# Altium PCB PCB.PcbDoc
Units mm, origin at the board's own origin, x right, y up, seen from the top; angles counter-clockwise.
Board outline 42.42 x 60.96 mm, 2 copper layers (Top Layer, Bottom Layer); 65 components, 46 nets, 264 pads, 71 vias.
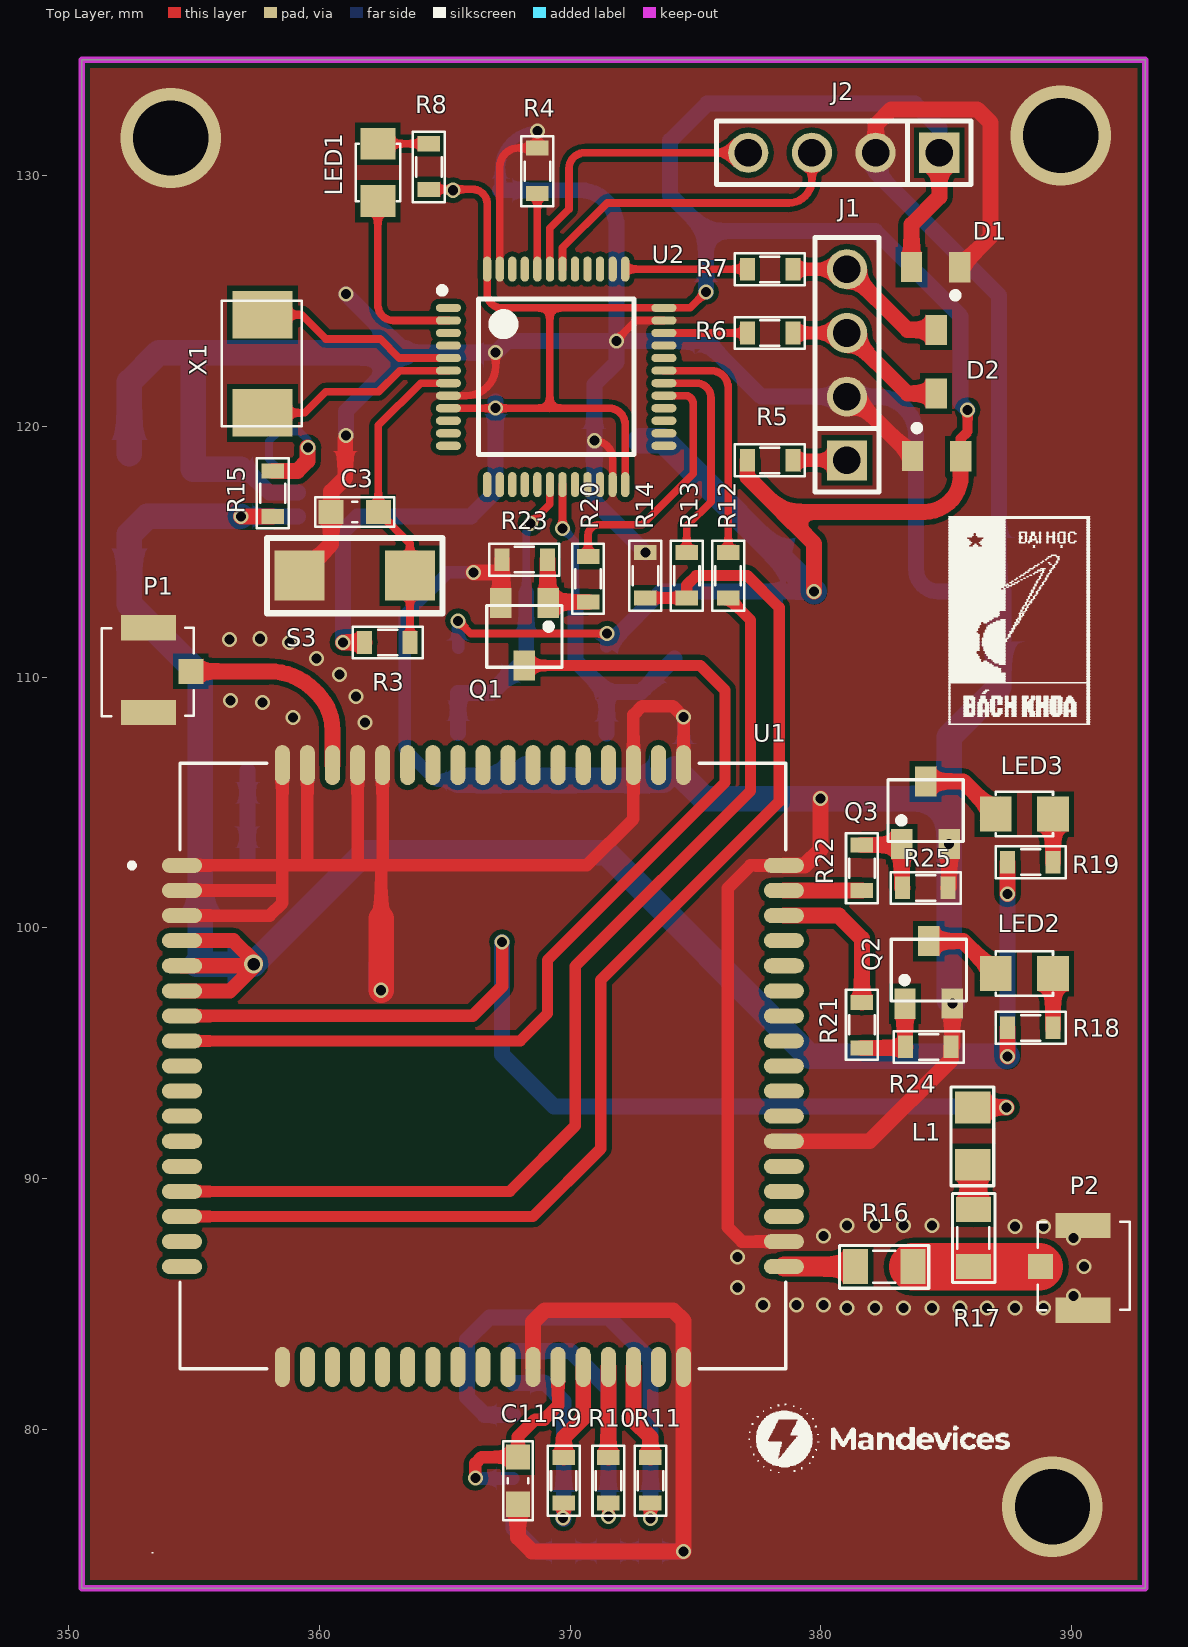
[diagram p0: Top Layer view]
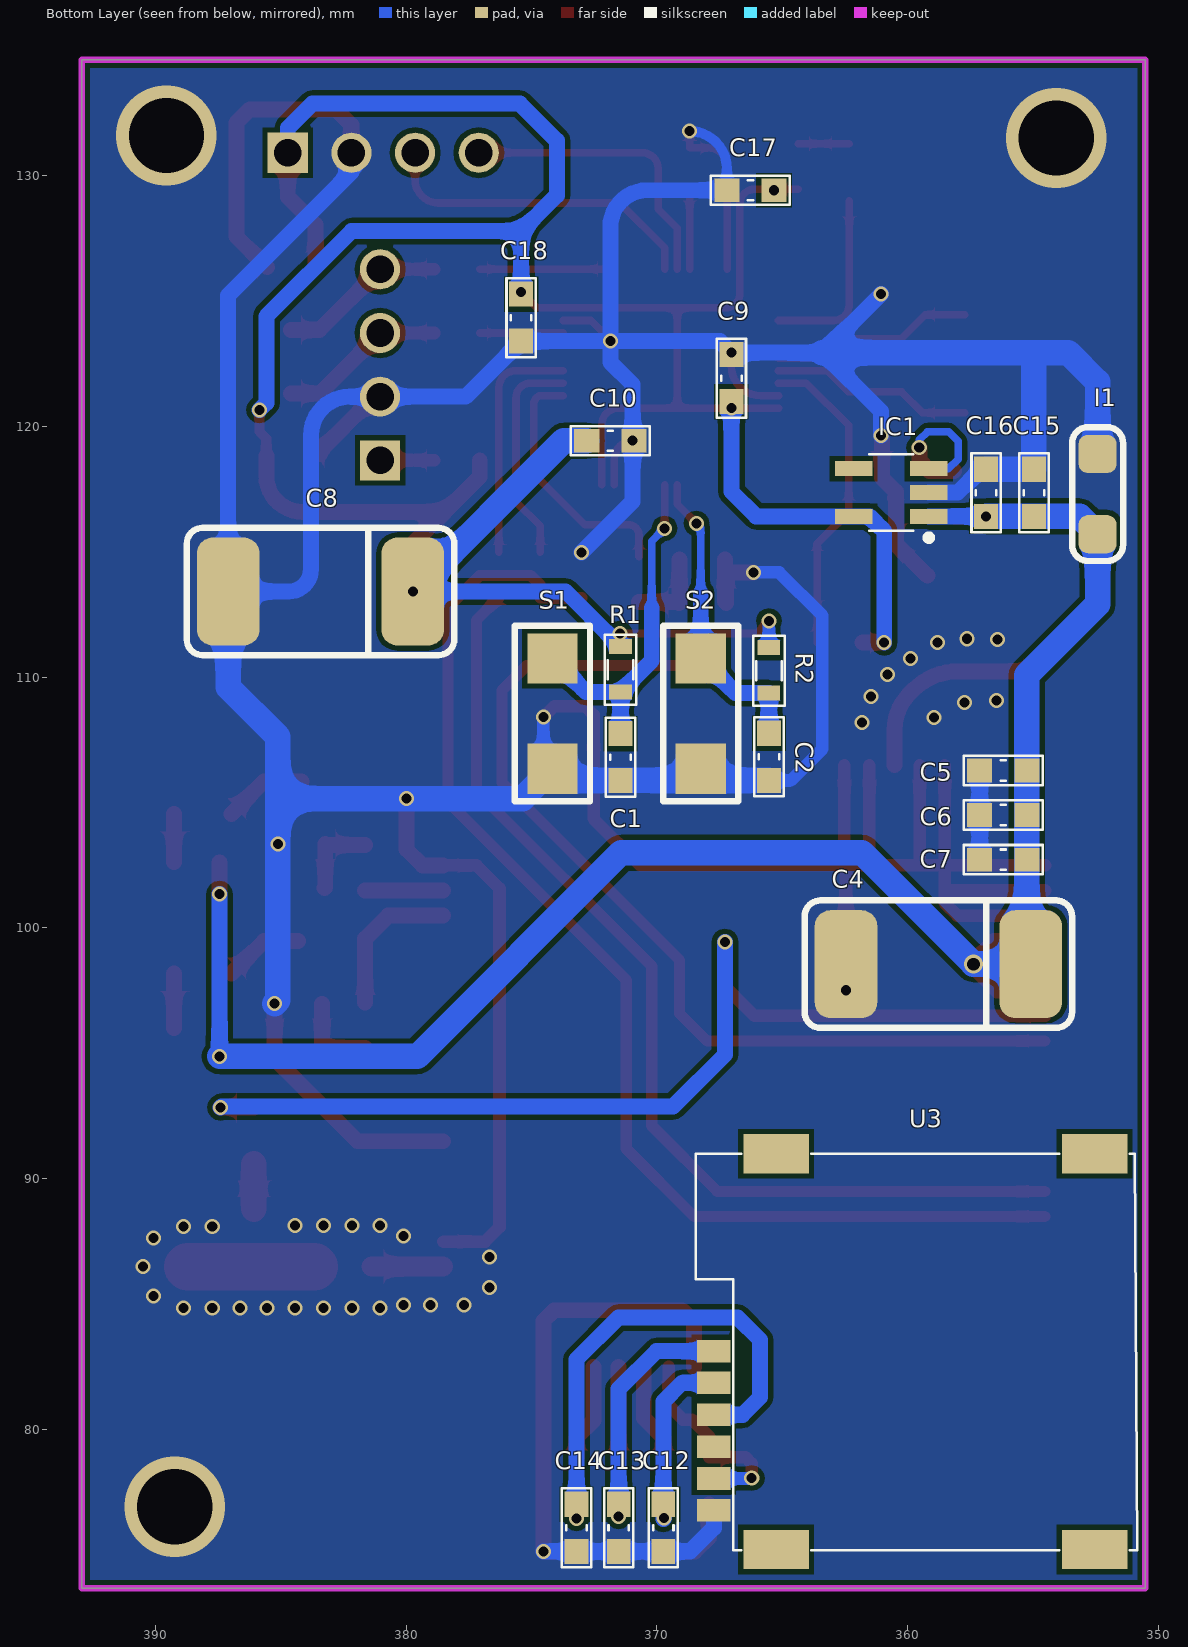
[diagram p1: Bottom Layer view, seen from below]
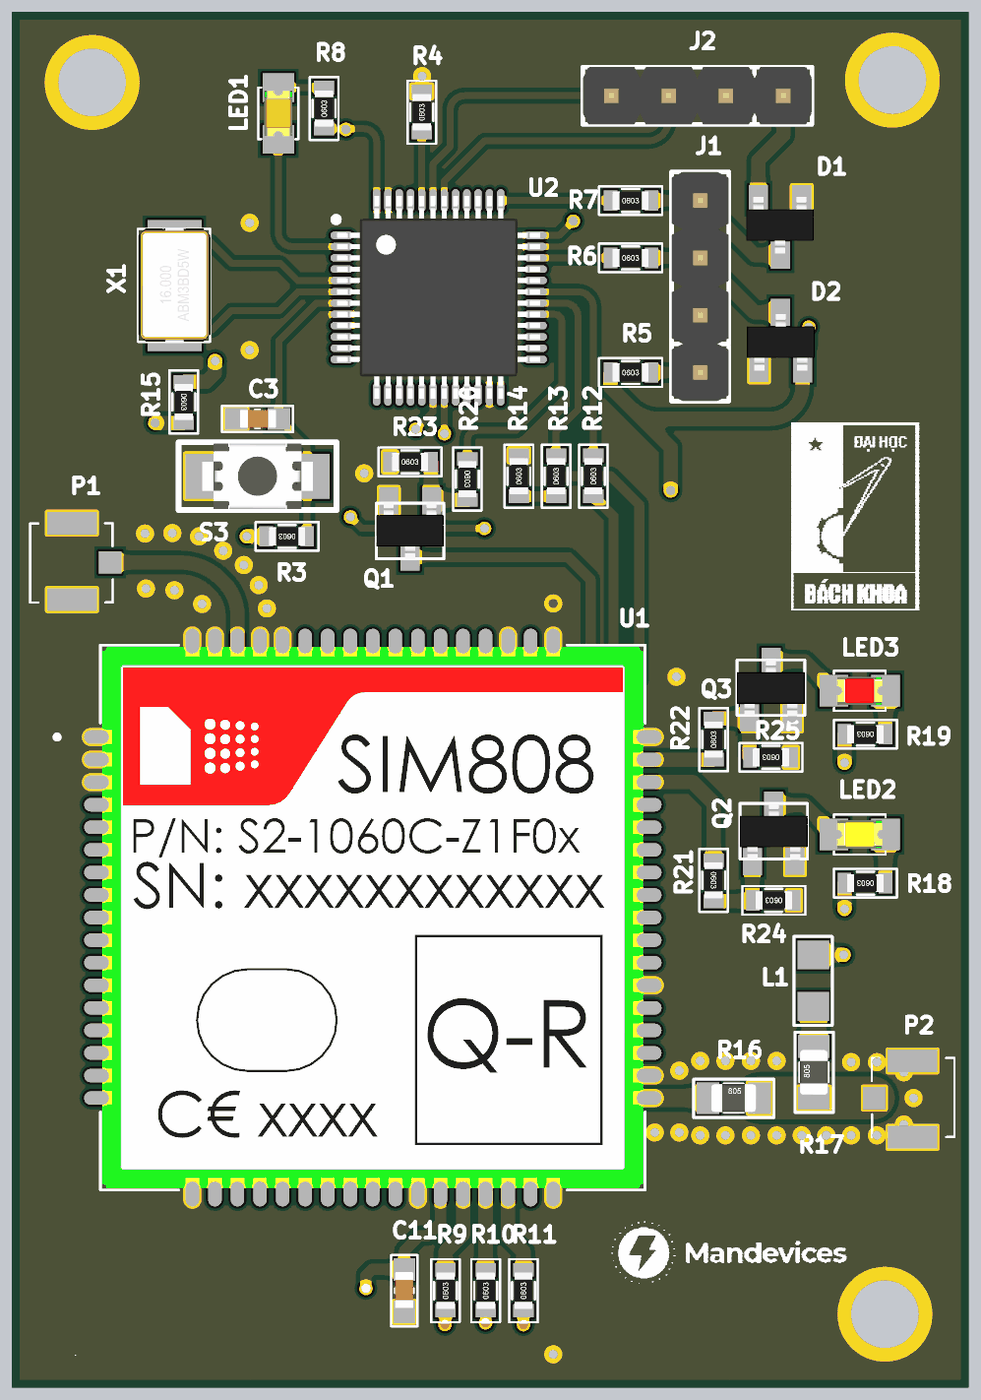
[diagram p2: 3D render of the assembled board from above, using the file's embedded part models]
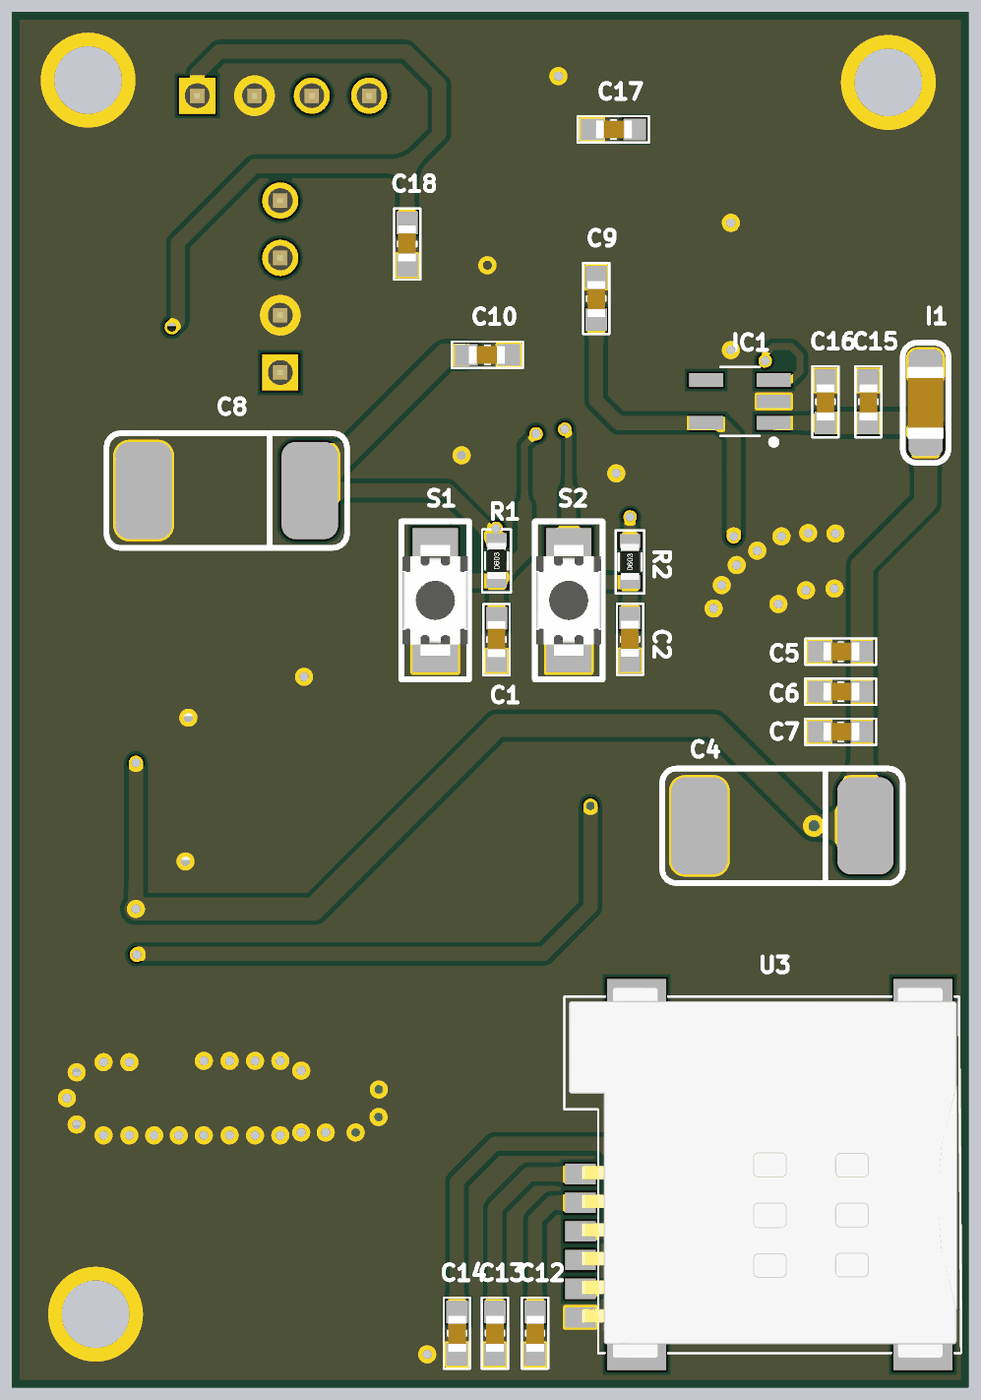
[diagram p3: 3D render of the assembled board from below, using the file's embedded part models]

## Layer stack, top to bottom
Top Solder: solder mask 0.0102, Solder Resist, Dk 3.5
Top Layer: signal copper 0.0356
Dielectric 1: dielectric 0.32, FR-4, Dk 4.8
Bottom Layer: signal copper 0.0356
Bottom Solder: solder mask 0.0102, Solder Resist, Dk 3.5

## Board outline
350.52,73.66 392.938,73.66 392.938,134.62 350.52,134.62

## Design rules (kind name [scope] priority, off if disabled: settings)
Clearance [All] p1: gap=0.254 ignorepadtopadclearanceinfootprint=TRUE except(0.1: Arc-Arc Arc-Track Arc-SMDPad Track-Track Track-SMDPad SMDPad-SMDPad; 0.2: Arc-Fill Arc-Poly Arc-Region Track-Fill Track-Poly Track-Region SMDPad-Fill SMDPad-Poly SMDPad-Region THPad-Fill THPad-Poly THPad-Region Via-Fill Via-Poly Via-Region Fill-Fill Fill-Poly Fill-Region Poly-Poly Poly-Region Region-Region)
PolygonConnect [All] p1: connectstyle=Direct reliefconductorwidth=0.254 reliefentries=4 polygonreliefangle="90 Angle" airgapwidth=0.254
RoutingVias [All] p1: holewidth=0.4 width=0.6 viastyle="Through Hole" minholewidth=0.4 minwidth=0.6 maxholewidth=0.4 maxwidth=0.6
SolderMaskExpansion [All] p1: expansion=0.102
Width [All] p1: maxlimit=2.032 minlimit=0.305 preferedwidth=0.5
30 further rules are at their usual default settings.

## Classes and differential pairs
component class Sheet1: C3 C4 C5 C6 C7 C8 C9 C10 C11 C12 C13 C14 C15 C16 C17 C18 D1 D2 I1 IC1 J1 J2 L1 LED1 LED2 LED3 P1 P2 Q1 Q2 Q3 R3 R4 R5 R6 R7 R8 R9 R10 R11 R12 R13 R14 R15 R16 R17 R18 R19 R20 R21 R22 R23 R24 R25 S2 S3 U1 U2 U3 X1

## Components (designator, comment, footprint, x,y, rotation, side; value= is the part's Value field where it differs from the comment)
C1 "10uF" CAP_0603 371.45,106.807 r90 bottom value=33p
C2 "10uF" CAP_0603 365.531,106.82 r90 bottom value=33p
C3 "10uF" CAP_0603 361.411,116.586 r0 top value=33p
C4 "100uF" CAP_7343 358.902,98.552 r0 bottom
C5 "10uF" CAP_0603 356.188,106.274 r180 bottom value=33p
C6 "100nF" CAP_0603 356.188,104.496 r180 bottom value=33p
C7 "33pF" CAP_0603 356.188,102.718 r180 bottom value=33p
C8 "100uF" CAP_7343 383.54,113.411 r0 bottom
C9 "10uF" CAP_0603 367.03,121.92 r270 bottom value=33p
C10 "100nF" CAP_0603 371.856,119.424 r0 bottom value=33p
C11 "100nF" CAP_0603 367.919,77.953 r90 top value=33p
C12 "22pF" CAP_0603 369.744,76.073 r270 bottom value=33p
C13 "22pF" CAP_0603 371.522,76.073 r270 bottom value=33p
C14 "22pF" CAP_0603 373.204,76.073 r270 bottom value=33p
C15 "10uF" CAP_0603 354.965,117.348 r270 bottom value=33p
C16 "100nF" CAP_0603 356.87,117.348 r270 bottom value=33p
C17 "10uF" CAP_0603 366.268,129.413 r180 bottom value=33p
C18 "100nF" CAP_0603 375.412,124.333 r90 bottom value=33p
D1 "DIODE-BAV99" SOT23 384.599,125.097 r180 top
D2 "DIODE-BAV99" SOT23 384.589,120.057 r0 top
I1 "Batt" CAP_3216 352.425,117.297 r270 bottom value=33p
IC1 "RT9013" SOT23-5 360.656,117.358 r0 bottom
J1 "ST_LINK" JP4-D1T 381.038,118.641 r90 top
J2 "MPU" JP4-D1T 384.721,130.909 r180 top
L1 "47nH" L-0805 386.055,91.694 r270 top value="150 mH"
LED1 "LED" LED-0805-Orange 362.331,131.267 r270 top value="LED 3 ly Single Colour"
LED2 "LED" LED-0805-Yellow 389.255,98.171 r180 top value="LED 3 ly Single Colour"
LED3 "LED" LED-0805-Red 389.255,104.536 r180 top value="LED 3 ly Single Colour"
P1 "Antenna" IPXS 354.457,110.236 r0 top
P2 "Antenna" IPXS 389.179,86.479 r180 top
Q1 "2SC1815" SOT23D 368.173,111.709 r180 top value=C1815
Q2 "2SC1815" SOT23D 384.302,98.222 r0 top value=C1815
Q3 "2SC1815" SOT23D 384.175,104.587 r0 top value=C1815
R1 "10k" RES-SMD-0603 371.45,110.297 r90 bottom
R2 "10k" RES-SMD-0603 365.531,110.249 r90 bottom
R3 "10k" RES-SMD-0603 362.722,111.379 r180 top
R4 "100k" RES-SMD-0603 368.693,130.175 r90 top
R5 "10R" RES-SMD-0603 377.952,118.641 r0 top
R6 "10R" RES-SMD-0603 377.952,123.721 r0 top
R7 "10R" RES-SMD-0603 377.952,126.261 r0 top
R8 "1k" RES-SMD-0603 364.363,130.34 r90 top
R9 "22R" RES-SMD-0603 369.744,77.953 r90 top
R10 "22R" RES-SMD-0603 371.526,77.953 r90 top
R11 "22R" RES-SMD-0603 373.202,77.953 r90 top
R12 "1k" RES-SMD-0603 376.301,114.046 r90 top
R13 "1k" RES-SMD-0603 374.65,114.046 r90 top
R14 "4.7k" RES-SMD-0603 372.999,114.046 r90 top
R15 "100k" RES-SMD-0603 358.14,117.335 r270 top
R16 "0R" RES-SMD-0805 382.524,86.489 r0 top
R17 "10R" RES-SMD-0805 386.08,87.632 r90 top
R18 "1k" RES-SMD-0603 388.366,96.012 r180 top
R19 "1k" RES-SMD-0603 388.366,102.616 r180 top
R20 "4.7k" RES-SMD-0603 370.713,113.919 r270 top
R21 "4.7k" RES-SMD-0603 381.635,96.139 r270 top
R22 "4.7k" RES-SMD-0603 381.635,102.377 r90 top
R23 "47k" RES-SMD-0603 368.173,114.681 r0 top
R24 "47k" RES-SMD-0603 384.302,95.25 r180 top
R25 "47k" RES-SMD-0603 384.175,101.59 r180 top
S1 "SW-SMD" "SW 3x2x4" 374.167,108.544 r90 bottom
S2 "SW-SMD" "SW 3x2x4" 368.249,108.544 r90 bottom
S3 "SW-SMD" "SW 3x2x4" 361.411,114.046 r0 top
U1 "SIM808" XCVR_SIM808 366.522,94.488 r0 top
U2 "STM32" "LQFP 48" 369.443,121.971 r0 top
U3 "SIM-KF016" "Sim Socket" 360.045,83.185 r90 bottom value="Sim holder"
X1 "8Mhz" "XTAL 5032 SMD" 357.728,122.517 r90 top value=4Mhz

## Footprints (in the part's own frame and the unit in brackets; to place one, negate y for a bottom-side part, rotate by r counter-clockwise, add the part's x,y. Pads: shape width x height; smd on the part's side, far side on the other; paste and mask are expansions set on the pad)
CAP_0603 [mm]
  rect 1x0.95 smd mask+0.076: 1(-0.94,0) 2(0.94,0)
  silkscreen extent -1.57,-0.58 1.57,0.58, body extent -0.77,-0.39 0.83,0.41, height 0.9
CAP_3216 [mil]
  rrect50% 60x60 smd: 1(-62.99,0) 2(62.99,0)
  silkscreen extent -105,-40 105,40, body extent -63,-31 63,31, height 39
CAP_7343 [mm] "Capacitor Tantalum 7343"
  rrect50% 2.5x4.3 smd: 1(-3.81,0) 2(3.556,0)
  silkscreen extent -5.46,-2.54 5.21,2.54, body extent -3.81,-2.29 3.56,2.29, height 3
IPXS [mm] "SOT 23 _ 1-3-2"
  rect 1x1 smd: 1(0.415,-0.01)
  rect 2.2x1 smd: 2(-1.273,-1.658) 3(-1.278,1.73)
  silkscreen extent -3.13,-1.79 0.53,1.73, body extent -2.83,-1.49 0.31,1.56, height 1.55
JP4-D1T [mm] "4 pins, 1 row, straight, gold plating"
  rect 1.6x1.6 hole 1.1: 1(0,0)
  round 1.6 hole 1.1: 2(2.54,0) 3(5.08,0) 4(7.62,0)
  silkscreen extent -1.27,-1.27 8.89,1.27, body extent -1.27,-1.27 8.89,1.27, height 8.54
L-0805 [mil] "Compoment SMD 80x50mil"
  rect 50x55 smd: 1(-45,0) 2(45,0)
  silkscreen extent -77,-34 78,33, body extent -50,-20 50,20, height 43
LED-0805-Orange [mil]
  rect 50x55 smd: 1(0,0) 2(90,0)
  silkscreen extent 0,-35 90,35, body extent 5,-25 85,25, height 43
LED-0805-Red [mil]
  rect 50x55 smd: 1(0,0) 2(90,0)
  silkscreen extent 0,-35 90,35, body extent 5,-25 85,25, height 43
LED-0805-Yellow [mil]
  rect 50x55 smd: 1(0,0) 2(90,0)
  silkscreen extent 0,-35 90,35, body extent 5,-25 85,25, height 43
"LQFP 48" [mm] "LQFP, 48-Leads, Body 7,00x7,00mm, Pitch 0,50mm, IPC Medium Density"
  oval 1x0.33 smd: 1(-4.296,2.75) 2(-4.296,2.25) 3(-4.296,1.75) 4(-4.296,1.25) 5(-4.296,0.75) 6(-4.296,0.25) 7(-4.296,-0.25) 8(-4.296,-0.75) 9(-4.296,-1.25) 10(-4.296,-1.75) 11(-4.296,-2.25) 12(-4.296,-2.75) 25(4.296,-2.75) 26(4.296,-2.25) 27(4.296,-1.75) 28(4.296,-1.25) 29(4.296,-0.75) 30(4.296,-0.25) 31(4.296,0.25) 32(4.296,0.75) 33(4.296,1.25) 34(4.296,1.75) 35(4.296,2.25) 36(4.296,2.75)
  oval 0.33x1 smd: 13(-2.75,-4.296) 14(-2.25,-4.296) 15(-1.75,-4.296) 16(-1.25,-4.296) 17(-0.75,-4.296) 18(-0.25,-4.296) 19(0.25,-4.296) 20(0.75,-4.296) 21(1.25,-4.296) 22(1.75,-4.296) 23(2.25,-4.296) 24(2.75,-4.296) 37(2.75,4.296) 38(2.25,4.296) 39(1.75,4.296) 40(1.25,4.296) 41(0.75,4.296) 42(0.25,4.296) 43(-0.25,4.296) 44(-0.75,4.296) 45(-1.25,4.296) 46(-1.75,4.296) 47(-2.25,4.296) 48(-2.75,4.296)
  silkscreen extent -4.67,-3.1 3.1,3.57, body extent -4.5,-4.5 4.5,4.5, height 1.6
RES-SMD-0603 [mm]
  rect 0.6x0.9 smd: 1(-0.889,0) 2(0.927,0)
  silkscreen extent -1.4,-0.64 1.4,0.64, body extent -0.8,-0.4 0.8,0.4, height 0.43
RES-SMD-0805 [mil]
  rect 39.37x55 smd: 1(-45,0) 2(45,0)
  silkscreen extent -70,-34 70,33, body extent -39,-25 39,25, height 31
"Sim Socket" [mm] "Socket Micro Sim 6P Push"
  rect 0.9x1.35 smd: 1(-5.145,7.685) 2(-2.605,7.685) 3(-0.065,7.685) 5(-6.415,7.685) 6(-3.875,7.685) 7(-1.335,7.685)
  rect 1.56x2.61 smd: ""(-7.975,-7.5) ""(-7.975,5.2) ""(7.805,-7.5) ""(7.805,5.2)
  silkscreen extent -8,-9.2 7.8,8.4, body extent -8.2,-9 8.2,8.2, height 1.35
SOT23 [mm] "SOT 23 _ 1-3-2"
  rect 0.85x1.2 smd: 1(-0.94,-1.245) 2(0.985,-1.25) 3(0.005,1.25)
  silkscreen extent -0.89,-0.25 -0.64,0, body extent -1.47,-1.33 1.53,1.17, height 1.06
SOT23-5 [mm] "SOT23, 5-Leads, Body 3.0x3.0mm (max), Pitch 0.95mm, IPC Medium Density"
  rect 1.5x0.6 smd: 1(-1.5,0.95) 2(-1.5,0) 3(-1.5,-0.95) 4(1.5,-0.95) 5(1.5,0.95)
  silkscreen extent -1.62,-1.52 0.87,1.92, body extent -1.75,-1.52 1.75,1.53, height 1.45
SOT23D [mm] "SOT 23C - 1-3-2 - BCE"
  rect 0.85x1.2 smd: 1(-0.95,-1.25) 2(0.94,-1.245) 3(0,1.25)
  silkscreen extent -1.5,-1.14 1.5,1.32, body extent -1.5,-1.17 1.5,1.33, height 1.06
"SW 3x2x4" [mm]
  rect 2x2 smd: 1(-2.2,0) 2(2.2,0)
  silkscreen extent -3.5,-1.5 3.5,1.5, body extent -2.45,-1.45 2.45,1.45, height 2
XCVR_SIM808 [mm]
  oval 1.6x0.6 smd: 1(-12,8) 2(-12,7) 3(-12,6) 4(-12,5) 5(-12,4) 6(-12,3) 7(-12,2) 8(-12,1) 9(-12,0) 10(-12,-1) 11(-12,-2) 12(-12,-3) 13(-12,-4) 14(-12,-5) 15(-12,-6) 16(-12,-7) 17(-12,-8) 35(12,-8) 36(12,-7) 37(12,-6) 38(12,-5) 39(12,-4) 40(12,-3) 41(12,-2) 42(12,-1) 43(12,0) 44(12,1) 45(12,2) 46(12,3) 47(12,4) 48(12,5) 49(12,6) 50(12,7) 51(12,8)
  oval 0.6x1.6 smd: 18(-8,-12) 19(-7,-12) 20(-6,-12) 21(-5,-12) 22(-4,-12) 23(-3,-12) 24(-2,-12) 25(-1,-12) 26(0,-12) 27(1,-12) 28(2,-12) 29(3,-12) 30(4,-12) 31(5,-12) 32(6,-12) 33(7,-12) 34(8,-12) 52(8,12) 53(7,12) 54(6,12) 55(5,12) 56(4,12) 57(3,12) 58(2,12) 59(1,12) 60(0,12) 61(-1,12) 62(-2,12) 63(-3,12) 64(-4,12) 65(-5,12) 66(-6,12) 67(-7,12) 68(-8,12)
  silkscreen extent -14.1,-12.07 12.07,12.07, body extent -12,-12 12,12, height 2.8
"XTAL 5032 SMD" [mm] "SMD 5032 XTAL Footprint"
  rect 1.9x2.4 smd: 1(-1.981,0) 2(1.93,0)
  silkscreen extent -2.51,-1.57 2.49,1.63, body extent -2.5,-1.6 2.5,1.6, height 1.31

## Part data
C1 C2 C3 C5 C6 C7 C9 C10 C11 C12 C13 C14 C15 C16 C17 C18: library part CapSMD, "Capacitor", LatestRevisionDate=17-Jul-2002, LatestRevisionNote="Re-released for DXP Platform.", PackageReference=RAD-0.3, Published=8-Jun-2000, Publisher="Altium Limited"
C4 C8: library part "Cap Pol", "Tantalum", LatestRevisionDate=17-Jul-2002, LatestRevisionNote="Re-released for DXP Platform.", PackageReference=POLAR0.8, Published=8-Jun-2000, Publisher="Altium Limited"
D1 D2: "ZENER, SOT23,", Current - Average Rectified (Io) (per Diode)=200mA, Current - Reverse Leakage @ Vr="2.5礎 @ 70V", Manufacturer="ON Semiconductor / Fairchild", Manufacturer Part Number=BAV99, Package / Case="TO-236-3, SC-59, SOT-23-3", Standard Package=1, Supplier Device Package="SOT-23-3 (TO-236)", Supplier Part Number 1=BAV99FSCT-ND, Voltage - DC Reverse (Vr) (Max)=70V, Voltage - Forward (Vf) (Max) @ If="1.25V @ 150mA", .CheckPCB=LeKhaLinh, .CheckSCH=LeKhaLinh, .Creator=LeKhaLinh, Category="Discrete Semiconductor Products", ComponentLink1Description=https://www.fairchildsemi.com/package-drawings/MA/MA03B.pdf?src-supplier=Digi-Key, ComponentLink1URL=https://www.fairchildsemi.com/package-drawings/MA/MA03B.pdf?src-supplier=Digi-Key, ComponentLink2Description=http://www.farnell.com/datasheets/1822674.pdf?src-supplier=Element14, ComponentLink2URL=http://www.farnell.com/datasheets/1822674.pdf?src-supplier=Element14, ComponentLink3Description=http://www.mouser.com/ds/2/149/BAV99-22788.pdf?src-supplier=Mouser, ComponentLink3URL=http://www.mouser.com/ds/2/149/BAV99-22788.pdf?src-supplier=Mouser, ComponentLink4Description=http://www.fairchildsemi.com/ds/BA/BAV99.pdf?src-supplier=Avnet+Europe, ComponentLink4URL=http://www.fairchildsemi.com/ds/BA/BAV99.pdf?src-supplier=Avnet+Europe, ComponentLink5Description=https://www.verical.com/server-webapp/html/getDatasheet?partID=110217&src-supplier=Verical, ComponentLink5URL=https://www.verical.com/server-webapp/html/getDatasheet?partID=110217&src-supplier=Verical, ComponentLink6Description=http://www.farnell.com/datasheets/2304409.pdf?src-supplier=Element14, ComponentLink6URL=http://www.farnell.com/datasheets/2304409.pdf?src-supplier=Element14, Diode Configuration="1 Pair Series Connection", Diode Type=Standard, Family="Diodes, Rectifiers - Arrays", Mounting Type="Surface Mount", Online Catalog="Diode Array", Other Drawings="Diode Circuit", Other Names=BAV99FSDKR, Packaging=Digi-Reel®, PCN Assembly/Origin="SOT23 Manufacturing Source 31/May2013 /  / Assembly Site Addition 20/Jul/2015", PCN Design/Specification="Mold Compound 12/Dec/2007", PCN Packaging="Binary Year Code Marking 15/Jan/2014", Pricing 1="1=0.26, 10=0.21, 100=0.1115, 500=0.0734, 1000=0.0499 (USD)", Pricing 3="1=0.1933, 10=0.1873, 25=0.1555, 100=0.0806, 250=0.0724, 500=0.0523, 1000=0.0428, 3000=0.0342 (USD)", Reverse Recovery Time (trr)=6ns, Speed="Small Signal =", Stock 1=1165, Stock 2=0, Stock 3=5700, Supplier 1=Digi-Key, Supplier 2=Mouser, Supplier 3=Arrow, Supplier Part Number 2=512-BAV99, Supplier Part Number 3=BAV99
I1: library part CapSMD, "Pad", LatestRevisionDate=17-Jul-2002, LatestRevisionNote="Re-released for DXP Platform.", PackageReference=RAD-0.3, Published=8-Jun-2000, Publisher="Altium Limited"
IC1: "RT9013-33GB IC REG LINEAR 3.3V 500mA SOT23-5"
J1 J2: library part Header4, "Header IDC, 4 x 1 Pin Vertical 2.54mm Pitch (Non-Boxed, Male)", Manufacturer="Würth Elektronik eiSos GmbH", partNo=613002143121, ComponentLink1 Description=Manufacturer, ComponentLink1URL=http://www.we-online.com, ComponentLink2 Description=Datasheet, ComponentLink2URL=http://katalog.we-online.de/em/datasheet/6130xx143121.pdf, Created by="Karrer Zheng", Created Date="29 March 2013", NoPins=02
L1: library part "Inductor Ferit", "Inductor"
LED1 LED2 LED3: "LED Single colour Green and Red"
P1 P2: library part IPXSx66, "Antenna GSM GPS"
Q1 Q2 Q3: "NPN 600mW, ECB", =C2383
R1 R2 R3 R4 R5 R6 R7 R8 R9 R10 R11 R12 R13 R14 R15 R16 R17 R18 R19 R20 R21 R22 R23 R24 R25: library part "Resistor - SMD", "Resistor", Manufacturer="Generic Components", Class=Passive, Published=08/06/2000, Publisher="Altium Hobart Technology Centre"
S1 S2 S3: "Switch", LatestRevisionDate=17-Jul-2002, LatestRevisionNote="Re-released for DXP Platform.", PackageReference=SPST-2, Published=24-Mar-1999, Publisher="Altium Limited"
U1: "SIM808 GPS, GPRS/GSM RF Arduino Platform Evaluation Expansion Board", Package=None, Availability=Unavailable, ComponentLink1Description=https://banlinhkien.com/sim808-p6650749.html, ComponentLink1URL=https://banlinhkien.com/sim808-p6650749.html, MF="Adafruit Industries", MP=SIM808, Price=None, SnapEDA_Link=https://www.snapeda.com/parts/SIM808/SIMcom%20Wireless%20solutions%20Co.%2CLtd/view-part/424834/?ref=snap
U2: library part STM32F103C8T6, "STM32 ARM-based 32-bit MCU with 64 Kbytes Flash, 64-pin LQFP, Industrial Temperature"
U3: library part "Sim holder", "SIM Card Holder KF-016"
X1: library part XT2, "Crystal For all Crystal 2pin."

## Via types
v1: diameter 0.6, hole 0.4, Top Layer to Bottom Layer, 67 vias
v2: diameter 4, hole 3, Top Layer to Bottom Layer, 3 vias
v3: diameter 0.762, hole 0.508, Top Layer to Bottom Layer, 1 vias

## Nets (pads, with @x,y where several pads share a name; then routed paths per layer and width w, separated by ;. In a path a pad name is that pad's centre, name@x,y a point inside that pad or via, vN(x,y) a via of type N, cw(c..) or ccw(c..) an arc to the next point about the centre after c; other vN are vias at no path point)
3V3: C8.1 C9.2 C10.2 C17.2 C18.2 D1.2 D2.2 IC1.5 J2.1 R1.2 R2.2 R3.2 R5.1 R8.1 U2.9 U2.24 U2.36 U2.48 | length 127.8
  Top Layer w0.305: R8.1 366.103,129.451 cw(c366.103,128.861) 366.693,128.861 U2.48 366.693,125.293 ccw(c367.265,125.293) 367.265,124.721 369.189,124.721 ; U2.9 v1(367.03,120.721) 369.189,120.721 ; v1(365.531,112.243) 366.039,111.735 v1(371.475,111.735) ; U2.24 372.193,120.072 ccw(c371.544,120.072) 371.544,120.721 369.189,120.721 ; v1(375.412,125.349) 374.784,124.721 U2.36 369.189,124.721 ; 369.189,120.721 369.189,124.721
  Top Layer w0.4: D2.2 385.574,119.509 385.851,119.786 v1(385.851,120.65)
  Top Layer w0.635: v1(360.934,111.379) R3.2 ; R5.1 377.063,117.983 378.46,116.586 ; v1(379.73,113.411) 379.73,115.316 378.46,116.586 ; D1.2 383.613,128.039 384.721,129.146 J2.1 ; D2.2 385.574,118.03 cw(c384.13,118.03) 384.13,116.586 378.46,116.586
  Bottom Layer w0.5: R2.2 v1(365.531,112.243) ; R1.2 371.45,111.709 v1(371.475,111.735)
  Bottom Layer w0.635: v1(360.934,111.379) 360.934,115.824 361.518,116.408 IC1.5 366.039,116.408 367.03,117.399 v1(367.03,120.721) C9.2 ; R1.2@371.718,111.492 373.637,113.411 v1(379.73,113.411) ; v1(375.412,125.349) 375.412,127.787 ; J2.1 384.721,131.89 383.743,132.867 375.463,132.867 373.99,131.394 373.99,129.21 375.412,127.787 ; v1(385.851,120.65) 385.574,120.927 385.574,124.386 382.173,127.787 375.412,127.787
  Bottom Layer w1.016: C10.2 373.717,119.424 v1(379.73,113.411)
  other v1: 365.328,129.413
Button1: C2.2 R2.1 S2.2 U2.18 | length 12.2
  Top Layer w0.305: v1(368.427,116.129) 369.193,116.895 U2.18
  Bottom Layer w0.305: 368.249,113.36 368.249,115.951 v1(368.427,116.129)
  Bottom Layer w0.635: C2.2 R2.1 366.865,109.36 S2.2 368.249,113.36
Button2: C1.2 R1.1 S1.2 U2.19 | length 13.9
  Top Layer w0.305: U2.19 369.693,115.93 v1(369.697,115.926)
  Bottom Layer w0.305: v1(369.697,115.926) 370.205,115.418 370.205,112.751
  Bottom Layer w0.635: 370.205,112.751 370.205,110.652 R1.1 ; C1.2 R1.1 ; S1.2 372.831,109.408 R1.1
GND: C1.1 C2.1 C3.1 C4.2 C5.1 C6.1 C7.1 C8.2 C9.1 C10.1 C11.1 C12.2 C13.2 C14.2 C15.1 C16.1 C17.1 C18.1 D1.1 D2.1 I1.1 IC1.2 J1.2 J2.2 P1.2 P1.3 P2.2 P2.3 Q1.2 Q2.2 Q3.2 R4.2 R14.2 R23.1 R24.1 R25.1 S1.1 S2.1 S3.1 U1.1 U1.2 U1.3 U1.18 U1.28 U1.34 U1.36 U1.40 U1.51 U1.52 U1.54 U1.64 U1.65 U1.67 U1.68 U2.8 U2.23 U2.35 U2.47 U3.5 | length 327.8
  Top Layer w0.305: U2.8 365.853,121.221 ccw(c365.853,122.398) 367.03,122.398 v1(367.03,122.936) ; U2.47 367.193,130.338 cw(c367.957,130.338) 367.957,131.102 R4.2 368.693,131.775 v1(368.706,131.775) ; v1(370.967,119.424) cw(c370.967,118.698) 371.693,118.698 U2.23 ; v1(371.856,123.393) 371.856,123.444 372.633,124.221 U2.35
  Top Layer w0.5: U1.3 358.019,100.488 358.522,100.991 358.522,101.549 ; U1.2 358.461,101.488 358.522,101.549 ; U1.1 358.472,102.488 ; U1.68 358.522,102.538 358.472,102.488 ; U1.67 359.522,102.524 359.486,102.488 ; U1.65 361.522,102.517 361.493,102.488 ; 362.458,100.381 362.458,102.462 362.484,102.488 ; U1.64 362.522,102.526 ; U1.52 v1(374.522,108.408) 374.091,108.839 372.872,108.839 372.522,108.489 U1.54 372.522,104.349 370.661,102.488 362.56,102.488 362.522,102.526 ; U1.36 376.849,87.488 376.276,88.062 376.276,101.575 377.189,102.488 U1.51 ; 358.472,102.488 359.486,102.488 ; 358.472,102.488 358.522,102.438 358.522,101.549 ; 359.486,102.488 361.493,102.488 ; 361.493,102.488 362.484,102.488 ; 362.484,102.488 362.522,102.526
  Top Layer w0.635: S3.1 360.471,115.306 C3.1 360.471,117.393 361.03,117.952 v1@361.03,119.495 ; v1(366.141,114.173) 367.233,114.173 Q1.2 367.284,113.005 R23.1 ; C11.1 367.919,75.692 368.478,75.133 v1(374.523,75.133) 374.523,82.487 U1.34 374.522,84.328 374.101,84.749 368.987,84.749 368.522,84.284 U1.28 ; U1.40 381.937,91.488 385.191,94.742 R24.1 385.242,95.301 v1(385.242,96.977) ; U1.51 379.348,102.488 379.984,103.124 v1(379.984,105.156) ; J1.2 381.28,121.181 D2.1 ; J2.2 382.181,132.016 382.803,132.639 386.232,132.639 386.766,132.105 386.766,127.568 D1.1 ; R25.1 385.115,101.64 v1(385.115,103.342)
  Top Layer w1.016: v1(362.458,97.511) 362.458,100.381
  Bottom Layer w0.4: C17.1 367.208,130.277 cw(c368.706,130.277) v1(368.706,131.775)
  Bottom Layer w0.5: C2.1 364.655,105.88 363.398,107.137 363.398,112.446 365.125,114.173 v1(366.141,114.173) ; S1.1 374.522,106.699 v1(374.522,108.408)
  Bottom Layer w0.635: C16.1 357.073,118.288 358.003,117.358 IC1.2 ; C7.1 C6.1 C5.1 ; v1(361.061,119.634) 361.061,120.599 363.398,122.936 ; v1(361.061,125.273) 363.398,122.936 ; C17.1 370.382,129.413 cw(c370.382,127.939) 371.856,127.939 v1(371.856,123.393) ; U3.5 367.73,76.072 368.668,75.133 C12.2 C13.2 C14.2 v1(374.523,75.133) ; v1(372.999,114.973) 370.967,117.005 v1(370.967,119.424) 370.967,121.666 371.856,122.555 v1(371.856,123.393) ; J2.2 382.181,130.137 387.096,125.222 C8.2 384.683,113.411 cw(c384.683,114.3) 383.794,114.3 383.794,119.634 ccw(c382.247,119.634) 382.247,121.181 J1.2 377.624,121.181 C18.1 v1(371.856,123.393) ; 363.398,122.936 v1(367.03,122.936) 367.487,123.393 v1(371.856,123.393)
  Bottom Layer w1.016: I1.1 352.425,121.768 353.593,122.936 355.067,122.936 ; C16.1 C15.1 354.965,122.834 cw(c355.067,122.834) 355.067,122.936 ; v1(362.458,97.511) C4.2 ; 363.398,122.936 355.067,122.936 ; C2.1 S2.1@367.785,105.88 ; S2.1 S2.1@367.785,105.88 ; v1(385.242,96.977) 385.115,97.104 v1(385.115,103.342) 385.115,105.156 ; C8.2 387.096,109.601 385.115,107.62 385.115,105.156 ; S2.1@367.785,105.88 373.704,105.88 S1.1 375.355,105.156 v1(379.984,105.156) 385.115,105.156
  other v1: 381.038,84.836 382.157,84.836 383.286,84.836 384.429,84.836 385.539,84.836 386.631,84.836 387.731,84.836 388.874,84.836 377.698,84.963 379.022,84.963 380.111,84.963 390.068,85.319 376.682,85.65 390.5,86.488 376.668,86.868 390.068,87.63 380.111,87.702 387.731,88.081 388.874,88.081 381.038,88.137 382.157,88.137 383.286,88.138 384.429,88.137 361.823,108.185 358.953,108.382 357.728,108.991 356.464,109.068 361.463,109.22 360.803,110.109 359.889,110.744 358.816,111.379 356.422,111.506 357.632,111.528
  other v2: 389.23,76.911 354.076,131.496 389.56,131.597
GPIO_PWRKEY: R20.1 U2.29 | length 10.3
  Top Layer w0.305: R20.1 370.713,115.646 cw(c371.145,115.646) 371.145,116.078 372.872,116.078 374.904,118.11 374.904,120.904 ccw(c374.587,120.904) 374.587,121.221 U2.29
GPS: R16.1 U1.35 | length 2.9
  Top Layer w0.7: R16.1@381.38,86.488 R16.1
  Top Layer w0.8: U1.35 R16.1@381.38,86.488
GSM: P1.1 U1.66 | length 8.3
  Top Layer w0.635: P1.1 357.987,110.226 cw(c357.987,107.686) 359.783,109.482 359.918,109.347 cw(c358.46,107.889) 360.522,107.889 U1.66
NetD1_3: D1.3 J1.4 R7.2 | length 6.7
  Top Layer w0.508: R7.2 J1.4
  Top Layer w0.635: J1.4 383.452,123.847 D1.3
NetD2_3: D2.3 J1.3 R6.2 | length 6.7
  Top Layer w0.508: R6.2 J1.3
  Top Layer w0.635: J1.3 383.452,121.307 D2.3
NetIC1_3: IC1.3 R15.1 | length 6.3
  Top Layer w0.635: R15.1 359.128,118.224 359.522,118.618 359.522,119.151 v1(359.537,119.151)
  Bottom Layer w0.305: IC1.3 358.374,118.308 357.988,118.694 357.988,119.405 358.369,119.786 359.207,119.786 359.537,119.456 v1(359.537,119.151)
NetJ1_1: J1.1 R5.2 | length 2.2
  Top Layer w0.508: R5.2 J1.1
NetL1_2: L1.2 R17.2 | length 1.8
  Top Layer w1.016: R17.2 L1.2@386.08,90.594
NetLED1_1: LED1.1 R8.2 | length 2
  Top Layer w0.305: LED1.1 R8.2
NetLED1_2: LED1.2 U2.2 | length 7.3
  Top Layer w0.305: LED1.2 362.331,124.841 ccw(c362.951,124.841) 362.951,124.221 U2.2
NetLED2_1: LED2.1 R18.1 | length 2.2
  Top Layer w0.635: R18.1 LED2.1
NetLED2_2: LED2.2 Q2.3 | length 3.2
  Top Layer w0.635: Q2.3 385.668,99.472 LED2.2
NetLED3_1: LED3.1 R19.1 | length 1.9
  Top Layer w0.635: R19.1 LED3.1
NetLED3_2: LED3.2 Q3.3 | length 3.3
  Top Layer w0.635: Q3.3 385.668,105.837 LED3.2
NETLIGHT: R22.1 U1.50 | length 3.1
  Top Layer w0.635: U1.50 R22.1
NetP2_1: P2.1 R16.2 R17.1 | length 5
  Top Layer w1.9: R16.2 R17.1 P2.1@388.713,86.489
NetQ1_1: Q1.1 R20.2 R23.2 | length 3.3
  Top Layer w0.635: R23.2 369.1,112.982 Q1.1 369.156,112.992 R20.2
NetQ2_1: Q2.1 R21.2 R24.2 | length 3.5
  Top Layer w0.635: R21.2 383.338,95.212 R24.2 383.352,95.273 Q2.1
NetQ3_1: Q3.1 R22.2 R25.2 | length 3.4
  Top Layer w0.635: R22.2 383.192,103.304 Q3.1 383.225,101.613 R25.2
NetR4_1: R4.1 U2.44 | length 3
  Top Layer w0.305: U2.44 R4.1
NetR9_2: R9.2 U1.30 | length 3.9
  Top Layer w0.635: R9.2@369.744,78.867 369.744,79.676 370.522,80.454 U1.30
NetR10_2: R10.2 U1.31 | length 3.6
  Top Layer w0.635: R10.2@371.522,78.867 U1.31
NetR11_2: R11.2 U1.32 | length 3.9
  Top Layer w0.635: U1.32 372.522,80.36 373.204,79.678 R11.2@373.204,78.867
NetU2_5: U2.5 X1.2 | length 8.1
  Top Layer w0.305: X1.2 359.295,124.448 360.26,123.483 361.03,123.483 362.419,123.483 363.181,122.721 U2.5
NetU2_6: U2.6 X1.1 | length 8.1
  Top Layer w0.305: X1.1 359.408,120.536 360.246,121.374 361.03,121.374 362.357,121.374 363.204,122.221 U2.6
NRST: C3.2 R3.1 S3.2 U2.7 | length 12.7
  Top Layer w0.305: R3.1 S3.2 363.611,115.326 C3.2 362.351,120.035 364.037,121.721 U2.7
RX1: R12.2 U2.31 | length 9.5
  Top Layer w0.305: U2.31 375.619,122.221 cw(c375.619,121.539) 376.301,121.539 R12.2
SCL: J2.3 U2.42 | length 13.1
  Top Layer w0.305: U2.42 369.693,127.123 371.475,128.905 378.714,128.905 ccw(c378.714,129.832) 379.641,129.832 J2.3
SDA: J2.4 U2.43 | length 11.8
  Top Layer w0.305: U2.43 369.193,127.893 369.951,128.651 369.951,130.274 cw(c370.586,130.274) 370.586,130.909 J2.4
SIM_CLK: C13.1 R10.1 U3.3 | length 9.6
  Top Layer w0.5: v1(371.522,76.53) 371.526,76.534 R10.1
  Bottom Layer w0.635: U3.3 370.016,83.12 371.522,81.614 C13.1
SIM_DATA: C12.1 R9.1 U3.7 | length 7.7
  Top Layer w0.4: v1@369.744,76.425 369.721,76.448 v1(369.721,76.456) 369.721,76.43 v1@369.748,76.403
  Top Layer w0.5: v1@369.744,76.425 R9.1
  Bottom Layer w0.635: U3.7 369,81.85 369.744,81.106 C12.1@369.744,77.051 ; v1(369.721,76.456) 369.744,76.432 C12.1
SIM_PWRKEY: Q1.3 U1.8 | length 39.3
  Top Layer w0.45: U1.8 368.005,95.488 369.1,96.583 369.1,98.717 376.174,105.791 376.174,109.474 375.189,110.459 Q1.3
SIM_RST: C14.1 R11.1 U3.2 | length 19.1
  Top Layer w0.5: v1(373.202,76.45) R11.1
  Bottom Layer w0.635: U3.2 366.587,80.58 365.887,81.28 365.887,83.566 366.776,84.455 371.537,84.455 373.204,82.788 C14.1@373.204,77.051
SIM_RX: R13.1 R14.1 U1.15 | length 48.9
  Top Layer w0.45: U1.15 368.521,88.488 371.221,91.188 371.221,97.917 378.333,105.029 378.333,112.776 377.063,114.046 375.031,114.046 374.65,113.665 R13.1 R14.1
SIM_TX: R12.1 U1.14 | length 41.1
  Top Layer w0.45: U1.14 367.587,89.488 370.205,92.106 370.205,98.472 377.19,105.457 377.19,112.268 R12.1
SIM_VCC: C11.2 U1.29 U3.1 | length 8.4
  Top Layer w0.5: v1(366.217,78.054) 366.217,78.638 366.471,78.892 C11.2 367.919,79.705 368.605,80.391 368.96,80.391 369.522,80.953 U1.29
  Bottom Layer w0.5: v1(366.217,78.054) 366.231,78.04 U3.1
STATUS: R21.1 U1.49 | length 6
  Top Layer w0.635: U1.49 380.715,100.488 381.635,99.568 R21.1
SWCLK: R7.1 U2.37 | length 4.9
  Top Layer w0.305: U2.37 377.057,126.267 R7.1
SWDIO: R6.1 U2.34 | length 3.3
  Top Layer w0.305: U2.34 R6.1
TX1: R13.2 U2.30 | length 8.8
  Top Layer w0.305: U2.30 375.031,121.721 cw(c375.031,121.133) 375.619,121.133 375.619,116.996 374.65,116.027 R13.2
VBAT: C4.1 C5.2 C6.2 C7.2 C15.2 C16.2 I1.2 IC1.1 R15.2 R18.2 R19.2 U1.4 U1.5 U1.6 | length 82.6
  Top Layer w0.6: U1.6 356.441,97.488 v3@357.441,98.488 ; U1.5 v3@357.378,98.488 ; U1.4 356.569,99.488 v3@357.441,98.615
  Top Layer w0.635: v1(356.87,116.408) R15.2 ; v1(387.439,94.869) R18.2 ; v1(387.439,101.346) R19.2
  Bottom Layer w0.635: v1(356.87,116.408) IC1.1 ; v1(387.439,94.869) v1(387.439,101.346)
  Bottom Layer w1.016: v1(356.87,116.408) C15.2 353.136,116.408 I1.2 352.425,112.903 355.248,110.08 355.248,106.045 355.248,104.267 355.248,102.489 355.248,98.708 C4.1 v3(357.378,98.552) 361.823,102.997 371.424,102.997 379.552,94.869 v1(387.439,94.869)
VDD_EXT: L1.1 U1.7 | length 41.9
  Top Layer w0.5: U1.7 366.109,96.488 367.284,97.663 v1(367.284,99.441)
  Top Layer w0.635: L1.1 v1(387.401,92.837)
  Bottom Layer w0.635: v1(367.284,99.441) 367.284,94.945 369.349,92.88 387.358,92.88 v1(387.401,92.837)
pads on no net: IC1.4 U1.9 U1.10 U1.11 U1.12 U1.13 U1.16 U1.17 U1.19 U1.20 U1.21 U1.22 U1.23 U1.24 U1.25 U1.26 U1.27 U1.33 U1.37 U1.38 U1.39 U1.41 U1.42 U1.43 U1.44 U1.45 U1.46 U1.47 U1.48 U1.53 U1.55 U1.56 U1.57 U1.58 U1.59 U1.60 U1.61 U1.62 U1.63 U2.1 U2.3 U2.4 U2.10 U2.11 U2.12 U2.13 U2.14 U2.15 U2.16 U2.17 U2.20 U2.21 U2.22 U2.25 U2.26 U2.27 U2.28 U2.32 U2.33 U2.38 U2.39 U2.40 U2.41 U2.45 U2.46 U3. U3.6

## Polygon pours and split planes (outlines as drawn)
GND on Bottom Layer "GND_L02_P002" (solid, remove dead copper, pour order 2): 350.52,73.66 392.938,73.66 392.938,134.62 350.52,134.62
GND on Top Layer "GND_L01_P000" (solid, remove dead copper, pour order 0): 350.52,73.66 392.938,73.66 392.938,134.62 350.52,134.62

## Keep-outs
Keep-Out Layer:
  lines w0.254: 350.52,73.66 392.938,73.66 392.938,134.62 387.35,134.62 350.52,134.62 350.52,73.66

## Silkscreen, mask and mechanical layers (free items; w line width, h text height)
Top Overlay:
  drawing of 1343 lines, arcs and shapes, not listed